# Altium PCB PCB2.PcbDoc (continued)
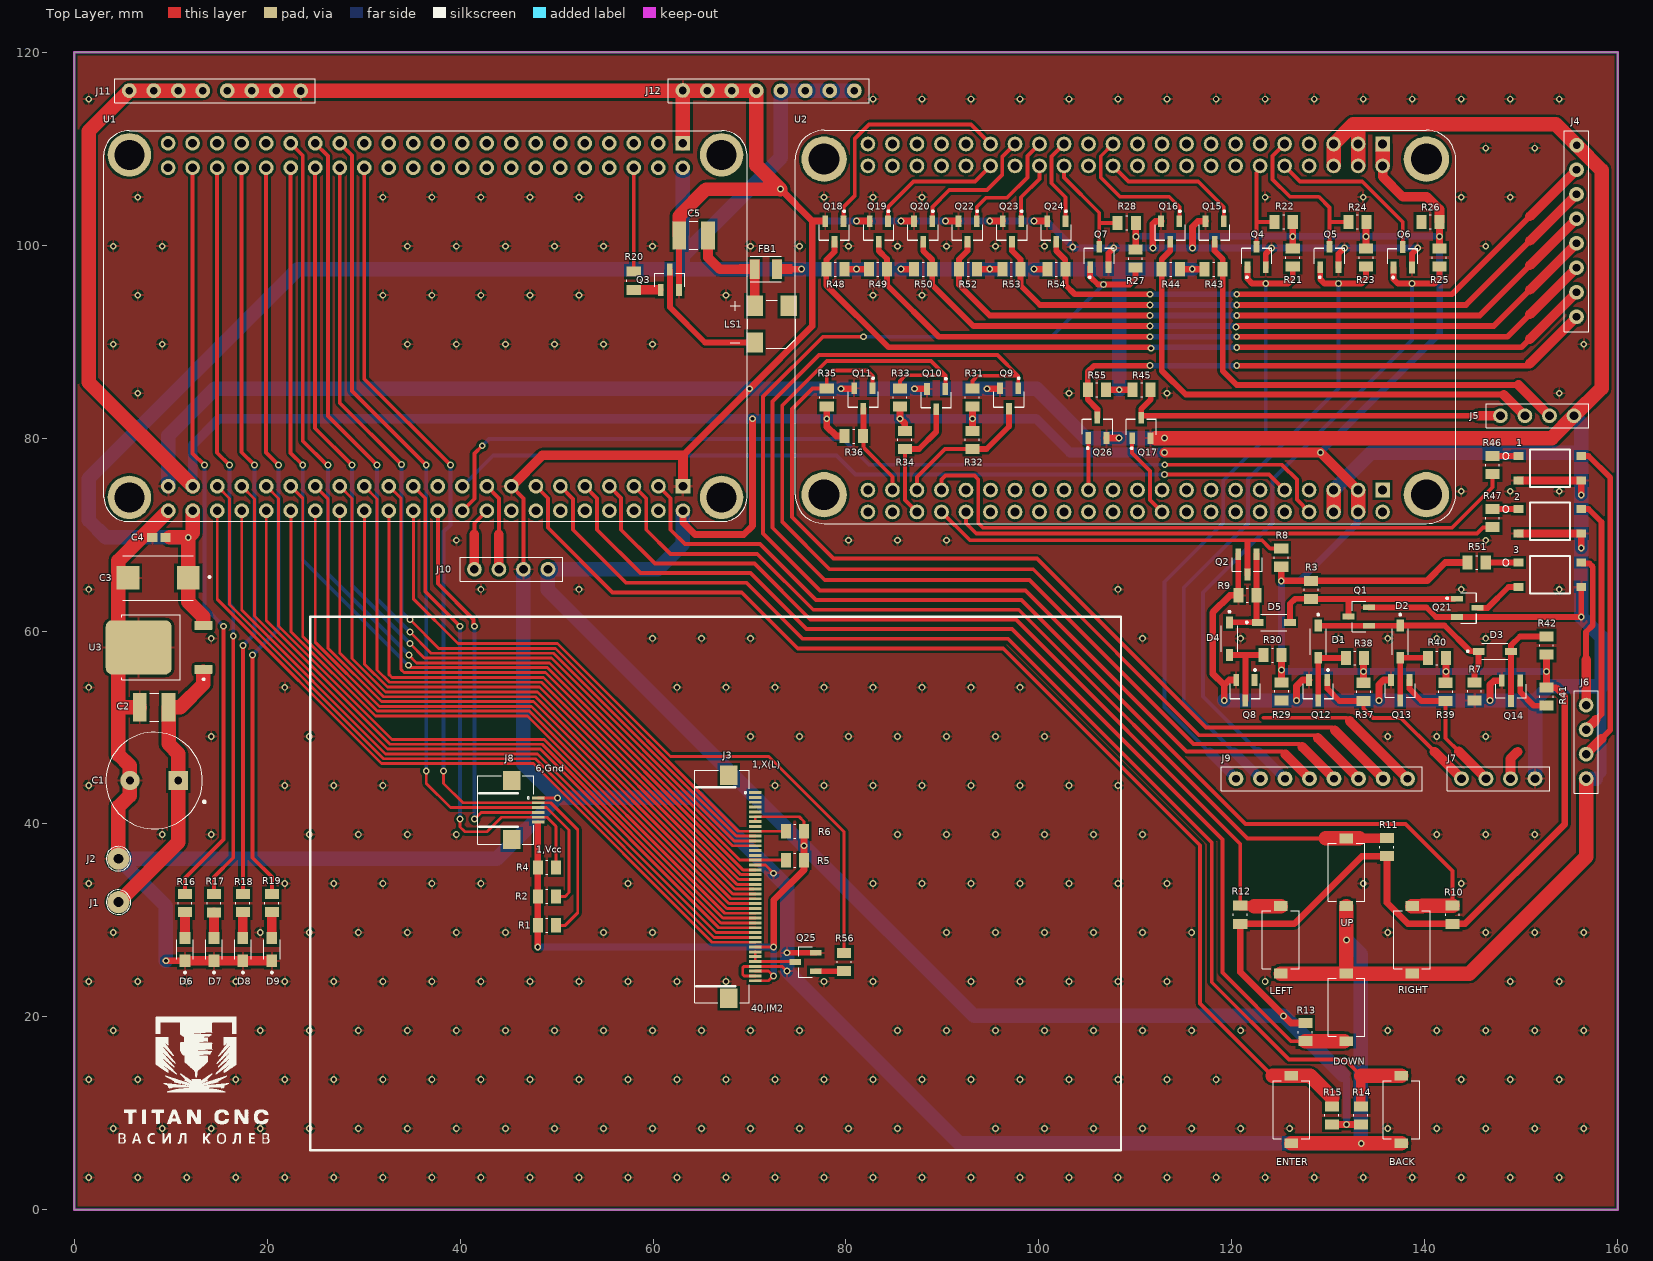
[diagram p0: Top Layer view]
## Nets (pads, with @x,y where several pads share a name; then routed paths per layer and width w, separated by ;. In a path a pad name is that pad's centre, name@x,y a point inside that pad or via, vN(x,y) a via of type N, cw(c..) or ccw(c..) an arc to the next point about the centre after c; other vN are vias at no path point)
GND: 1.2 1.3 2.2 2.3 3.3 BACK.2 C1.2 C2.1 C3.2 C4.1 C5.1 D6.C D7.C D8.C D9.C DOWN.2 ENTER.2 J2.1 J3.16 J3.37 J3.39 J4.8 J5.4 J6.4 J7.4 J8.1 J10.3 J11.5 J11.6 J11.7 J11.8 J12.5 J12.6 J12.7 J12.8 LEFT.2 Q1.2 Q2.2 Q3.2 Q4.2 Q5.2 Q6.2 Q7.2 Q8.2 Q9.2 Q10.2 Q11.2 Q12.2 Q13.2 Q14.2 Q15.2 Q16.2 Q17.2 Q18.2 Q19.2 Q20.2 Q21.2 Q22.2 Q23.2 Q24.2 Q25.2 Q26.2 R7.2 R9.2 RIGHT.2 U1.1 U1.45 U1.59 U1.87 U1.88 U2.3 U2.4 U2.5 U2.6 U2.49 U2.50 U3.2 UP.2 | length 1003.6
  Top Layer w0.254: J12.8 J12.8@63.101,116.012 ; J12.7@65.615,116.012 J12.7 ; Q11.2@80.79,85.1 Q11.2 ; 88.1,85.1 Q10.2 ; Q9.2@95.89,85.1 Q9.2 ; Q17.2 112.1,79.98
  Top Layer w0.3: J8.1 v2(50.1,42.7) ; J3.39 69.449,24.25 69.3,24.399 69.3,25.101 69.449,25.25 J3.37 73.358,25.25 73.858,24.75 v2(73.9,24.75) ; J3.16 71.65,35.75 v2(72.5,34.9)
  Top Layer w0.4: U1.59 46.57,73.75 J10.3
  Top Layer w0.6: Q3.2 62.7,100.992 C5.1 ; v2(73.9,26.65) Q25.2 ; Q7.2 107.2,99.15 v2(107.75,99.7) ; Q2.2 120.65,63.71 R9.2 ; Q4.2 123.5,99.1 v2(124.1,99.7) ; Q5.2 131.05,99.1 v2(131.65,99.7) ; Q1.2 140.15,62.45 141.15,61.45 Q21.2 v2(156.2,61.45) 3.3 ; Q6.2 138.65,99.1 v2(139.25,99.7)
  Top Layer w0.7: v2(9.525,25.825) D6.C ; 63.1,78.2 v2(70,85.1) 76.5,91.6 76.5,102.5 ; J12.6@68.168,115.932 J12.6 ; v2(73.2,105.8) 76.5,102.5 ; Q18.2@77.81,102.5 76.5,102.5 ; v2(79.5,85.1) Q11.2@80.79,85.1 ; v2(81.1,102.5) 82.41,102.5 Q19.2 ; v2(85.7,102.5) 87.01,102.5 Q20.2 ; v2(87.1,85.1) 88.1,85.1 ; v2(90.3,102.5) 91.61,102.5 Q22.2 ; v2(94.6,85.1) Q9.2@95.89,85.1 ; v2(94.9,102.5) 96.21,102.5 Q23.2 ; v2(99.5,102.5) 100.81,102.5 Q24.2 ; Q26.2 v2(108.3,80) ; v2(111.8,99.7) 111.8,102.185 112.075,102.46 Q16.2 ; v2(115.9,99.7) 115.9,101.9 116.46,102.46 Q15.2 ; v2(119.2,52.8) 119.2,54.4 ; Q8.2@120.2,54.92 119.72,54.92 119.2,54.4 ; R9.2 119.8,63.7 118,61.9 118,55.6 119.2,54.4 ; v2(126.7,52.8) 126.7,54.3 127.32,54.92 Q12.2 ; v2(135.242,52.8) 135.242,54.442 135.72,54.92 Q13.2@136.3,54.92 ; v2(146.75,52.8) 146.75,54.45 147.143,54.843 Q14.2@147.8,54.843 ; v2(156.195,68.595) 156.195,70.095 2.3 ; v2(156.195,74.095) 156.195,75.595 1.3
  Top Layer w0.8: 2.2 2.3 ; 1.2 1.3
  Top Layer w1: D6.C D7.C D8.C D9.C ; U1.59 48.52,78.2 63.1,78.2 U1.45
  Top Layer w1.4: C5.1 62.708,103.008 65.5,105.8 v2(73.2,105.8)
  Top Layer w1.5: J2.1 4.6,41.8 5.752,42.952 5.752,44.452 C1.2 5.752,44.548 5.752,46.048 4.6,47.2 4.6,52.1 ; C2.1 4.6,52.1 ; C4.1@7.785,70.035 7.335,70.035 ; U1.88 7.335,70.035 ; J11.5 J11.6 J11.7 J12.8@63.088,116 ; U1.1 J12.8@63.088,115.988 ; J12.8@63.101,116.012 J12.7@65.615,116.012 ; J12.7 J12.6 J12.5 70.708,108.292 v2(73.2,105.8) ; 112.1,79.98 112.12,80 v2(113,80) 153.14,80 J5.4 158.3,85.16 158.3,107.765 J4.8 153.565,112.5 133.074,112.5 ; LEFT.2 DOWN.2 ; ENTER.2 v2(133.4,6.9) BACK.2 ; U2.50 U2.49 ; U2.6 U2.5 132.558,112.5 133.074,112.5 ; UP.2 v2(131.858,27.989) DOWN.2 ; U2.4 U2.3 133.074,112.5 ; J6.4 156.7,36.6 144.6,24.5 RIGHT.2 DOWN.2 ; 4.6,52.1 4.6,67.3 7.335,70.035
  Bottom Layer w0.7: v2(73.2,105.8) 76.5,102.5 v2(81.1,102.5) v2(94.9,102.5) v2(99.5,102.5) 100.8,102.5 v2(103.5,99.8) 103.503,99.8 103.603,99.7 v2(107.75,99.7) v2(111.8,99.7) v2(115.9,99.7) v2(124.1,99.7) v2(131.65,99.7) v2(139.25,99.7)
  Bottom Layer w1: 157.7,44.7 158.3,45.3 158.3,54.3
  Bottom Layer w1.5: v2(9.525,25.825) 9.525,31.475 J2.1 43.8,36.4 v2(50.1,42.7) ; U1.87 9.76,80.26 14.6,85.1 v2(70,85.1) v2(79.5,85.1) v2(87.1,85.1) v2(94.6,85.1) 99.763,85.1 104.863,80 v2(108.3,80) v2(113,80) ; J10.3 46.57,46.23 v2(50.1,42.7) ; v2(119.2,52.8) v2(126.7,52.8) v2(135.242,52.8) v2(146.75,52.8) 151.38,52.8 151.41,52.83 ; U2.49 134.42,78.495 156.195,78.495 ; v2(131.858,27.989) 133.358,26.489 133.358,6.942 v2(133.4,6.9) 91.75,6.9 v2(73.9,24.75) v2(73.9,26.65) 73.9,33.5 v2(72.5,34.9) 64.7,42.7 v2(50.1,42.7) ; J7.4 151.41,52.8 152.91,54.3 158.3,54.3 158.3,59.35 v2(156.2,61.45) v2@156.2,68.59 ; J5.4 156.195,81.545 156.195,78.495 ; v2(156.195,68.595) v2(156.195,74.095) 156.195,78.495 ; J6.4 157.7,44.7
  other v1: 1.52,3.36 6.6,3.36 11.68,3.36 16.76,3.36 21.84,3.36 26.92,3.36 32,3.36 37.08,3.36 42.16,3.36 47.24,3.36 52.32,3.36 57.4,3.36 62.48,3.36 67.56,3.36 72.64,3.36 77.72,3.36 82.8,3.36 87.88,3.36 92.96,3.36 98.04,3.36 103.12,3.36 108.2,3.36 113.28,3.36 118.36,3.36 123.44,3.36 128.52,3.36 133.6,3.36 138.68,3.36 143.76,3.36 148.84,3.36 153.92,3.36 4.06,8.44 9.14,8.44 14.22,8.44 19.3,8.44 24.38,8.44 29.46,8.44 34.54,8.44 39.62,8.44 44.7,8.44 49.78,8.44 54.86,8.44 59.94,8.44 65.02,8.44 70.1,8.44 75.18,8.44 80.26,8.44 85.34,8.44 95.5,8.44 100.58,8.44 105.66,8.44 110.74,8.44 115.82,8.44 120.9,8.44 125.98,8.44 136.14,8.44 141.22,8.44 146.3,8.44 151.38,8.44 156.46,8.44 1.52,13.52 6.6,13.52 16.76,13.52 21.84,13.52 26.92,13.52 32,13.52 37.08,13.52 42.16,13.52 47.24,13.52 52.32,13.52 57.4,13.52 62.48,13.52 67.56,13.52 72.64,13.52 77.72,13.52 82.8,13.52 87.88,13.52 92.96,13.52 98.04,13.52 103.12,13.52 108.2,13.52 113.28,13.52 118.36,13.52 143.76,13.52 148.84,13.52 153.92,13.52 4.06,18.6 19.3,18.6 24.38,18.6 29.46,18.6 34.54,18.6 39.62,18.6 44.7,18.6 49.78,18.6 54.86,18.6 59.94,18.6 65.02,18.6 70.1,18.6 75.18,18.6 85.34,18.6 90.42,18.6 95.5,18.6 100.58,18.6 105.66,18.6 110.74,18.6 115.82,18.6 120.9,18.6 136.14,18.6 141.22,18.6 146.3,18.6 151.38,18.6 156.46,18.6 1.52,23.68 6.6,23.68 11.68,23.68 16.76,23.68 21.84,23.68 26.92,23.68 32,23.68 37.08,23.68 42.16,23.68 47.24,23.68 52.32,23.68 57.4,23.68 62.48,23.68 67.56,23.68 77.72,23.68 82.8,23.68 92.96,23.68 98.04,23.68 103.12,23.68 108.2,23.68 113.28,23.68 123.44,23.68 148.84,23.68 153.92,23.68 4.06,28.76 19.3,28.76 24.38,28.76 29.46,28.76 34.54,28.76 39.62,28.76 44.7,28.76 54.86,28.76 59.94,28.76 90.42,28.76 95.5,28.76 100.58,28.76 105.66,28.76 110.74,28.76 115.82,28.76 136.14,28.76 146.3,28.76 151.38,28.76 156.46,28.76 1.52,33.84 21.84,33.84 26.92,33.84 32,33.84 37.08,33.84 42.16,33.84 57.4,33.84 82.8,33.84 87.88,33.84 92.96,33.84 98.04,33.84 103.12,33.84 108.2,33.84 113.28,33.84 133.6,33.84 143.76,33.84 9.14,38.92 14.22,38.92 24.38,38.92 29.46,38.92 34.54,38.92 39.62,38.92 85.34,38.92 90.42,38.92 95.5,38.92 100.58,38.92 105.66,38.92 110.74,38.92 141.22,38.92 146.3,38.92 151.38,38.92 1.52,44 21.84,44 26.92,44 32,44 72.64,44 77.72,44 82.8,44 87.88,44 92.96,44 98.04,44 103.12,44 108.2,44 14.22,49.08 24.38,49.08 70.1,49.08 75.18,49.08 80.26,49.08 85.34,49.08 90.42,49.08 95.5,49.08 100.58,49.08 136.14,49.08 141.22,49.08 146.3,49.08 1.52,54.16 21.84,54.16 62.48,54.16 67.56,54.16 72.64,54.16 77.72,54.16 82.8,54.16 87.88,54.16 92.96,54.16 98.04,54.16 14.22,59.24 59.94,59.24 65.02,59.24 70.1,59.24 110.74,59.24 120.9,59.24 131.06,59.24 136.14,59.24 141.22,59.24 146.3,59.24 1.52,64.32 42.16,64.32 52.32,64.32 108.2,64.32 143.76,64.32 153.92,64.32 39.62,69.4 80.26,69.4 85.34,69.4 90.42,69.4 146.3,69.4 143.76,74.48 148.84,74.48 153.92,74.48 6.6,84.64 103.12,84.64 113.28,84.64 153.92,84.64 4.06,89.72 9.14,89.72 34.54,89.72 39.62,89.72 44.7,89.72 49.78,89.72 54.86,89.72 59.94,89.72 156.46,89.72 6.6,94.8 32,94.8 37.08,94.8 42.16,94.8 47.24,94.8 52.32,94.8 67.56,94.8 82.8,94.8 87.88,94.8 4.06,99.88 9.14,99.88 34.54,99.88 39.62,99.88 44.7,99.88 49.78,99.88 54.86,99.88 59.94,99.88 70.1,99.88 75.18,99.88 80.26,99.88 85.34,99.88 90.42,99.88 95.5,99.88 100.58,99.88 146.3,99.88 6.6,104.96 32,104.96 37.08,104.96 42.16,104.96 47.24,104.96 52.32,104.96 77.72,104.96 82.8,104.96 87.88,104.96 123.44,104.96 133.6,104.96 143.76,104.96 148.84,104.96 146.3,110.04 151.38,110.04 1.52,115.12 82.8,115.12 87.88,115.12 92.96,115.12 98.04,115.12 103.12,115.12 108.2,115.12 113.28,115.12 118.36,115.12 123.44,115.12 128.52,115.12 133.6,115.12 138.68,115.12 143.76,115.12 148.84,115.12 153.92,115.12
Net1_1: 1.1 R46.2 | length 2.7
  Top Layer w0.6: R46.2 1.1
Net1_4: 1.4 J6.3 | length 33.6
  Top Layer w0.6: 1.4 156.96,78.14 159.2,75.9 159.2,49.74 158.3,48.84
  Top Layer w1: J6.3 158.3,48.84
Net2_1: 2.1 R47.2 | length 2.7
  Top Layer w0.6: R47.2 2.1
Net2_4: 2.4 J6.2 | length 24.8
  Top Layer w0.6: 2.4 156.96,72.64 158.3,71.3 158.3,51.38 157.71,50.79
  Top Layer w1: J6.2 157.71,50.79
Net3_1: 3.1 R51.2 | length 3.4
  Top Layer w0.6: R51.2 3.1
Net3_2: 3.2 Q21.3 | length 5.1
  Top Layer w0.6: Q21.3 146.5,62.4 148.66,64.56 3.2
Net3_4: 3.4 J6.1 | length 16
  Top Layer w0.6: 3.4 156.3,67 157.049,67 157.4,66.649 157.4,60.6 156.7,59.9 156.7,57
  Top Layer w1: J6.1 156.7,57
NetC1_1: C1.1 C2.2 J1.1 U3.1 | length 29.1
  Top Layer w1.5: J1.1 10.8,38.1 C1.1 10.8,47.3 9.792,48.308 C2.2 11,52.1 13.41,54.51 U3.1@13.41,55.8
NetC3_1: C3.1 C4.2 FB1.1 J12.1 J12.2 J12.3 J12.4 R43.1 R44.1 R45.1 R48.1 R49.1 R50.1 R52.1 R53.1 R54.1 R55.1 U1.2 U1.86 U3.3 | length 220.3
  Top Layer w0.7: FB1.1 v2(75.4,97.5) ; R48.1 v2(81.1,97.5) R49.1 ; v2(85.7,97.5) R50.1 ; R52.1 v2(94.9,97.5) R53.1 ; v2(99.5,97.5) R54.1 ; R55.1 v2(108.32,85) R45.1 ; R44.1 v2(115.88,97.5) R43.1
  Top Layer w1.5: C4.2@9.9,69.7 v2(11.84,69.7) ; U1.86 12.3,70.16 v2(11.84,69.7) ; U3.3@13.4,61 13.4,61.486 11.84,63.046 C3.1 v2(11.84,69.7)
  Bottom Layer w1.5: v2(11.84,69.7) 3.3,69.7 1.5,71.5 1.5,75.8 23.2,97.5 63.088,97.5 v2(75.4,97.5) v2(81.1,97.5) v2(85.7,97.5) v2(94.9,97.5) v2(99.5,97.5) 108.3,97.5 ; 63.088,97.9 63.088,98.888 ; U1.2 63.088,98.888 ; J12.1 J12.2 J12.3 J12.4 73.248,109.048 63.088,98.888 ; v2(108.32,85) 108.32,97.48 108.3,97.5 ; v2(115.88,97.5) 108.3,97.5
NetC5_2: C5.2 FB1.2 LS1.P | length 11.5
  Top Layer w1: C5.2 65.692,98.708 66.9,97.5 FB1.2 LS1.P
NetD1_A: D1.A Q12.3 R38.2 | length 7.2
  Top Layer w0.254: D1.A@128.94,57.18 D1.A@128.96,57.2
  Top Layer w0.6: Q12.3 D1.A@128.94,57.18 ; D1.A@128.96,57.2 R38.2
NetD1_C: D1.C D2.C D3.C Q1.1 R7.1 | length 21.1
  Top Layer w0.254: D1.C D1.C@128.97,60.55 ; D2.C@137.41,60.55 D2.C
  Top Layer w0.6: D1.C@128.97,60.55 Q1.1 D2.C@137.41,60.55 ; D2.C 142.02,60.58 144.7,57.9 D3.C 145.56,56.46 145.14,56.04 R7.1
NetD2_A: D2.A Q13.3 R40.2 | length 7.3
  Top Layer w0.6: Q13.3 D2.A 140.28,57.22 R40.2
NetD3_A: D3.A Q14.3 R42.2 | length 9.8
  Top Layer w0.6: Q14.3 D3.A 148.92,58.52 149.84,59.44 R42.2
NetD4_A: D4.A Q8.3 R30.2 | length 8.2
  Top Layer w0.254: 121.39,57.49 121.4,57.5
  Top Layer w0.6: D4.A 119.76,57.5 121.4,57.5 R30.2 ; Q8.3 121.39,57.49
NetD4_C: D4.C D5.C Q2.1 R9.1 | length 10
  Top Layer w0.254: R9.1 R9.1@122.55,63.71
  Top Layer w0.6: D4.C 119.76,60.9 D5.C 122.54,61.02 R9.1 ; R9.1@122.55,63.71 Q2.1
NetD5_A: D5.A Q1.3 Q21.1 R3.2 | length 21
  Top Layer w0.6: D5.A 126.02,62.82 126.55,63.35 R3.2@128.2,63.35 ; R3.2 132.19,63.32 ; Q1.3 132.08,63.21 132.19,63.32 ; Q21.1@143.025,63.345 143,63.32 132.19,63.32
NetD6_A: D6.A R16.2 | length 2.7
  Top Layer w1: D6.A R16.2
NetD7_A: D7.A R17.2 | length 2.7
  Top Layer w1: D7.A R17.2
NetD8_A: D8.A R18.2 | length 2.7
  Top Layer w1: D8.A R18.2
NetD9_A: D9.A R19.2 | length 2.7
  Top Layer w1: D9.A R19.2
NetJ3_6: J3.6 J3.7 J3.33 J3.38 J3.40 J8.6 J10.4 J11.1 J11.2 J11.3 J11.4 R1.1 R2.2 R3.1 R4.2 R5.1 R6.1 R8.1 R10.1 R11.1 R12.1 R13.1 R14.1 R15.1 R21.1 R22.1 R23.1 R24.1 R25.1 R26.1 R27.1 R28.1 R29.1 R30.1 R31.1 R32.1 R33.1 R34.1 R35.1 R36.1 R37.1 R38.1 R39.1 R40.1 R41.1 R42.1 R51.1 U1.46 U1.85 U2.1 U2.2 U2.47 U2.48 | length 654.3
  Top Layer w0.254: 48.083,40 48.083,40.2 J8.6 ; v2@72.458,24.25 v2(72.5,24.25)
  Top Layer w0.3: J3.40 71.958,23.75 72.458,24.25 71.958,24.75 J3.38 ; J3.33 v2(72.5,27.25) ; J3.7 J3.6 75.15,40.75 75.64,40.26 R6.1
  Top Layer w0.7: v2(48.06,27.25) R4.2 48.06,40 ; U1.46 63.1,71.242 64.342,70 69.4,70 70.3,70.9 v2(70.3,82) ; v2(72.5,27.25) 72.5,32.1 75.64,35.24 R5.1 v2(75.64,37.75) R6.1 ; R35.1 78,81.2 79,80.2 R36.1 ; R33.1 v2(85.6,82) 86.1,81.5 R34.1 ; R32.1 v2(93.1,82) R31.1 ; R27.1 110.04,99.58 v2(110.04,100.9) R28.1 ; R8.1 v2(125.1,65.2) R3.1 140.2,65.2 142.1,67.1 R51.1 ; R29.1 v2(125.14,55.975) R30.1 ; v2@125.354,20.122 125.354,20.118 125.355,20.117 125.391,20.117 126.128,19.38 R13.1 ; v2@125.37,20.138 120.858,24.65 R12.1 126.46,29.66 133.46,36.66 R11.1 136.058,31.842 138.24,29.66 144.16,29.66 154.5,40 154.5,53.2 153.567,54.133 152.607,54.133 R41.1 R42.1 ; R21.1 R22.1 ; R15.1 R14.1 ; R37.1 v2(133.64,55.81) 133.64,57.16 R38.1 ; R23.1 v2(133.9,100.9) 133.9,102.36 R24.1 ; R25.1 v2(141.5,100.9) R26.1 ; R39.1 142.18,54.68 v2(142.18,55.81) R40.1
  Top Layer w1: v2(113,78.5) v2(129.182,78.5) U2.47 ; U2.2 135.614,107.086 137.7,105 140.2,105 141.5,103.7 R26.1
  Top Layer w1.5: U1.85 1.5,85.8 1.5,111.78 J11.1 J11.2 J11.3 J11.4 ; U2.48 U2.47 ; U2.2 U2.1
  Bottom Layer w0.7: v2(48.06,27.25) v2(72.5,27.25) v2(72.5,24.25) ; v2(110.04,100.9) v2(126.3,100.9) v2(133.9,100.9) v2(141.5,100.9) 141.5,95.947 141.54,95.907 141.54,90.858 v2(129.182,78.5) ; 131.469,14 131.858,13.611 v2(131.858,8.86) ; U2.48 132.952,72.218 132.952,71.152 127,65.2 v2(125.1,65.2) 125.12,65.18 125.12,55.995 v2(125.14,55.975) 125.264,55.975 125.429,55.81 v2(133.64,55.81) v2(142.18,55.81) 142.185,55.805 152.595,55.805 v2(152.6,55.8)
  Bottom Layer w1: U1.85 12.3,79.3 15,82 v2(70.3,82) v2(78,82) v2(85.6,82) v2(93.1,82) 99.7,82 103.2,78.5 v2(113,78.5)
  Bottom Layer w1.5: U1.46 63.1,69 60.5,66.4 J10.4 49.11,64.28 v2(75.64,37.75) 93.271,20.119 v2(125.35,20.119) 131.469,14
NetJ3_9: J3.9 R6.2 U1.30 | length 97.9
  Top Layer w0.3: v2(34.8,61.2) 37.8,58.2 49.893,58.2 68.843,39.25 J3.9 R6.2
  Top Layer w0.4: U1.30 27.528,83.656 v2(33.942,77.242)
  Bottom Layer w0.4: v2(33.942,77.242) 33.942,61.976 34.718,61.2 v2(34.8,61.2)
NetJ3_10: J3.10 U1.31 | length 99.3
  Top Layer w0.3: v2(34.8,59.9) 37,57.7 49.686,57.7 68.636,38.75 J3.10
  Top Layer w0.4: U1.31 26.3,109.238 26.3,82.3 v2(31.4,77.2)
  Bottom Layer w0.4: v2(31.4,77.2) 31.4,63.3 v2(34.8,59.9)
NetJ3_11: J3.11 U1.32 | length 97.6
  Top Layer w0.3: v2(34.8,58.7) 36.3,57.2 49.479,57.2 68.429,38.25 J3.11
  Top Layer w0.4: U1.32 24.988,81.012 v2(28.8,77.2)
  Bottom Layer w0.4: v2(28.8,77.2) 28.8,64.7 v2(34.8,58.7)
NetJ3_12: J3.12 U1.33 | length 102.3
  Top Layer w0.3: v2(34.7,57.5) 34.7,57.484 35.484,56.7 35.893,56.7 49.272,56.7 68.222,37.75 J3.12
  Top Layer w0.4: U1.33 23.7,109.298 23.7,79.7 26.2,77.2 v2(26.3,77.2)
  Bottom Layer w0.4: v2(26.3,77.2) 26.3,65.9 v2(34.7,57.5)
NetJ3_15: J3.15 R5.2 U1.34 | length 104.1
  Top Layer w0.3: v2(34.66,56.45) 34.91,56.2 49.064,56.2 69.014,36.25 J3.15 R5.2
  Top Layer w0.4: U1.34 22.448,78.452 v2(23.7,77.2)
  Bottom Layer w0.4: v2(23.7,77.2) 23.7,67.355 34.605,56.45 v2(34.66,56.45)
NetJ3_17: J3.17 U1.69 | length 64.8
  Top Layer w0.3: U1.69 33.9,73.72 33.9,55.992 34.201,55.691 48.867,55.691 69.307,35.25 J3.17
NetJ3_18: J3.18 U1.70 | length 63.5
  Top Layer w0.3: U1.70 32.62,55.523 32.952,55.191 48.66,55.191 69.1,34.75 J3.18
NetJ3_19: J3.19 U1.71 | length 67.8
  Top Layer w0.3: U1.71 31.4,73.68 31.4,55.971 32.68,54.691 48.453,54.691 68.893,34.25 J3.19
NetJ3_20: J3.20 U1.72 | length 65.9
  Top Layer w0.3: U1.72 30.08,56.584 32.473,54.191 48.245,54.191 68.686,33.75 J3.20
NetJ3_21: J3.21 U1.73 | length 69.9
  Top Layer w0.3: U1.73 28.8,73.74 28.8,57.157 32.266,53.691 48.038,53.691 68.479,33.25 J3.21@70.4,33.25
NetJ3_22: J3.22 U1.74 | length 68.1
  Top Layer w0.3: U1.74 27.54,57.71 32.059,53.191 47.831,53.191 68.272,32.75 J3.22
NetJ3_23: J3.23 U1.75 | length 72.4
  Top Layer w0.3: U1.75 26.3,73.7 26.3,58.243 31.852,52.691 47.624,52.691 68.065,32.25 J3.23
NetJ3_24: J3.24 U1.76 | length 70.4
  Top Layer w0.3: U1.76 25,58.836 31.645,52.191 47.417,52.191 67.858,31.75 J3.24
NetJ3_25: J3.25 U1.77 | length 74.7
  Top Layer w0.3: U1.77 23.7,73.76 23.7,59.428 31.438,51.691 47.21,51.691 67.651,31.25 J3.25
NetJ3_26: J3.26 U1.78 | length 72.7
  Top Layer w0.3: U1.78 22.466,72.454 22.466,59.956 31.231,51.191 47.003,51.191 67.443,30.75 J3.26
NetJ3_27: J3.27 U1.79 | length 77
  Top Layer w0.3: U1.79 21.2,73.72 21.2,60.514 32.955,48.759 48.727,48.759 67.236,30.25 J3.27
NetJ3_28: J3.28 U1.80 | length 75
  Top Layer w0.3: U1.80 19.92,61.087 32.748,48.259 48.52,48.259 67.029,29.75 J3.28
NetJ3_29: J3.29 U1.81 | length 79.3
  Top Layer w0.3: U1.81 18.7,73.68 18.7,61.55 32.491,47.759 48.313,47.759 66.822,29.25 J3.29
NetJ3_30: J3.30 U1.82 | length 77.4
  Top Layer w0.3: U1.82 17.38,62.163 32.284,47.259 48.029,47.259 66.538,28.75 J3.30
NetJ3_31: J3.31 U1.83 | length 81.6
  Top Layer w0.3: U1.83 16.1,73.74 16.1,62.736 32.076,46.76 47.822,46.76 66.331,28.25 J3.31
NetJ3_32: J3.32 U1.84 | length 79.7
  Top Layer w0.3: U1.84 14.84,63.289 31.869,46.26 47.615,46.26 66.124,27.75 J3.32
NetJ3_34: J3.34 J3.35 J3.36 Q25.3 | length 5.2
  Top Layer w0.254: Q25.3@74.691,25.75 Q25.3
  Top Layer w0.3: J3.34 J3.35 J3.36 Q25.3@74.691,25.75
NetJ4_1: J4.1 Q26.3 R55.2 | length 57.8
  Top Layer w0.6: Q26.3 106.05,82.99 105.06,83.98 R55.2 105.06,86.86 105.7,87.5 v2(111.5,87.5) ; v2(120.5,87.5) 150.64,87.5
  Top Layer w1: 150.87,87.73 J4.1
  Bottom Layer w0.6: v2(111.5,87.5) v2(120.5,87.5)
NetJ4_2: J4.2 Q18.3 R48.2 | length 87.7
  Top Layer w0.6: Q18.3 78.8,99.3 77.967,98.467 77.967,97.507 R48.2 77.96,95.84 84.4,89.4 111.47,89.4 111.563,89.307 v2(111.593,89.307) ; v2(120.5,89.4) 150,89.4 150.87,90.27
  Top Layer w1: 150.87,90.27 J4.2
  Bottom Layer w0.6: v2(111.593,89.307) 111.623,89.307 111.716,89.4 v2(120.5,89.4)
NetJ4_3: J4.3 Q19.3 R49.2 | length 81.5
  Top Layer w0.6: Q19.3 83.4,99.4 84.24,98.56 R49.2 84.24,95.86 89.6,90.5 v2(111.5,90.5) ; v2(120.5,90.5) 148.56,90.5 150.87,92.81
  Top Layer w1: 150.87,92.81 J4.3
  Bottom Layer w0.6: v2(111.5,90.5) v2(120.5,90.5)
NetJ4_4: J4.4 Q20.3 R50.2 | length 77
  Top Layer w0.6: Q20.3 88.007,100.333 88.007,99.393 88.933,98.467 88.933,97.507 R50.2 88.94,95.86 93.2,91.6 v2(111.5,91.6) ; v2(120.43,91.519) 120.46,91.519 120.542,91.6 147.12,91.6 150.87,95.35
  Top Layer w1: 150.87,95.35 J4.4
  Bottom Layer w0.6: v2(111.5,91.6) 120.319,91.6 120.4,91.519 v2(120.43,91.519)
NetJ4_5: J4.5 Q22.3 R52.2 | length 74.3
  Top Layer w0.6: Q22.3 92.6,99.4 91.72,98.52 R52.2 91.72,95.88 94.9,92.7 v2(111.5,92.7) ; v2(120.5,92.7) 145.68,92.7 150.87,97.89
  Top Layer w1: 150.87,97.89 J4.5
  Bottom Layer w0.6: v2(111.5,92.7) v2(120.5,92.7)
NetJ4_6: J4.6 Q23.3 R53.2 | length 68.1
  Top Layer w0.6: Q23.3 97.2,99.4 98.08,98.52 R53.2 98.08,95.82 100.1,93.8 v2(111.5,93.8) ; v2(120.5,93.8) 144.24,93.8 150.87,100.43
  Top Layer w1: 150.87,100.43 J4.6
  Bottom Layer w0.6: v2(111.5,93.8) v2(120.5,93.8)
NetJ4_7: J4.7 Q24.3 R54.2 | length 63.6
  Top Layer w0.6: Q24.3 101.8,99.4 102.733,98.467 102.733,97.507 R54.2 102.74,95.86 103.7,94.9 v2(111.5,94.9) ; v2(120.5,94.9) 142.8,94.9 150.87,102.97
  Top Layer w1: 150.87,102.97 J4.7
  Bottom Layer w0.6: v2(111.5,94.9) v2(120.5,94.9)
NetJ5_1: J5.1 Q17.3 R45.2 | length 40.6
  Top Layer w0.6: Q17.3 Q17.3@110.6,82.132 ; R45.2 111.58,83.98 110.6,83 Q17.3@110.6,82.132 ; 145.5,82.3 110.768,82.3 Q17.3@110.6,82.132
  Top Layer w1: 145.5,82.3 J5.1
NetJ5_2: J5.2 Q16.3 R44.2 | length 53.3
  Top Layer w0.6: Q16.3 113.6,99.4 112.72,98.52 R44.2 112.72,86.98 115.2,84.5 148.16,84.5
  Top Layer w1: 148.16,84.5 J5.2
NetJ5_3: J5.3 Q15.3 R43.2 | length 49.5
  Top Layer w0.6: Q15.3 118.2,99.4 119.04,98.56 R43.2 119.04,86.96 120.5,85.5 149.7,85.5
  Top Layer w1: 149.7,85.5 J5.3
NetJ7_1: J7.1 Q12.1 R37.2 | length 19.1
  Top Layer w0.4: R37.2 133.64,51.96 134.6,51 137.49,51 140.995,47.495
  Top Layer w0.6: Q12.1 129.89,54.01 131.14,52.76 R37.2
  Top Layer w1: 140.995,47.495 J7.1
NetJ7_2: J7.2 Q13.1 R39.2 | length 15
  Top Layer w0.4: R39.2 142.14,48.89 143.515,47.515
  Top Layer w0.6: Q13.1 138.39,54.01 139.64,52.76 R39.2
  Top Layer w1: 143.515,47.515 J7.2
NetJ7_3: J7.3 Q14.1 R41.2 | length 7.6
  Top Layer w0.6: Q14.1 149.87,53.67 151.28,52.26 R41.2
  Top Layer w1: J7.3 148.87,46.77 149.6,47.5
NetJ8_2: J8.2 R1.2 U1.28 | length 95.1
  Top Layer w0.3: v2(38.3,45.5) 38.3,44.2 40.3,42.2 J8.2 49.4,42.2 52.2,39.4 52.2,30.8 50.9,29.5 R1.2
  Top Layer w0.4: U1.28 30.068,86.132 v2(39,77.2)
  Bottom Layer w0.4: v2(38.3,45.5) 38.3,70.3 39,71 v2(39,77.2)
NetJ8_3: J8.3 R2.1 U1.29 | length 94.9
  Top Layer w0.3: v2(36.5,45.5) 36.5,44.2 39,41.7 48.967,41.7 51.3,39.367 51.3,32.9 50.9,32.5 R2.1
  Top Layer w0.4: U1.29 28.8,109.278 28.8,84.883 36.483,77.2 v2(36.5,77.2)
  Bottom Layer w0.4: v2(36.5,45.5) v2(36.5,77.2)
NetJ8_4: J8.4 U1.66 | length 40.4
  Top Layer w0.3: v2(41.5,40.5) 42.2,41.2 J8.4
  Top Layer w0.4: U1.66 37.7,64.9 41.413,61.187 41.413,60.587 v2(41.5,60.5)
  Bottom Layer w0.4: v2(41.5,40.5) v2(41.5,60.5)
NetJ8_5: J8.5 R4.1 U1.67 | length 52.7
  Top Layer w0.3: v2(40,40.5) 40,39.7 40.5,39.2 42.8,39.2 44.3,40.7 J8.5 49,40.7 49.94,39.76 R4.1
  Top Layer w0.4: U1.67 36.4,73.76 36.4,64.1 v2(40,60.5)
  Bottom Layer w0.4: v2(40,40.5) v2(40,60.5)
NetJ9_1: J9.1 Q4.1 R21.2 | length 66.3
  Top Layer w0.6: Q4.1 121.6,96.5 122.1,96 v2(123.5,96) 125.8,96 126.3,96.5 R21.2
  Bottom Layer w0.4: 117.7,47.42 113,52.12 113,65.1 119.1,71.2 119.1,75.6 123.5,80 v2(123.5,96)
  Bottom Layer w1: 117.7,47.42 J9.1
NetJ9_2: J9.2 Q5.1 R23.2 | length 68.9
  Top Layer w0.6: Q5.1 129.15,96.45 129.6,96 v2(131.05,96) 133.4,96 133.9,96.5 R23.2
  Bottom Layer w0.4: 120.215,47.445 115,52.66 115,64.5 121.65,71.15 121.65,75.75 131.05,85.15 v2(131.05,96)
  Bottom Layer w1: 120.215,47.445 J9.2
NetJ9_3: J9.3 Q6.1 R25.2 | length 71.4
  Top Layer w0.6: Q6.1 136.75,96.45 137.2,96 v2(138.65,96) 141,96 141.5,96.5 R25.2
  Bottom Layer w0.4: 122.7,47.5 117,53.2 117,64 124.2,71.2 124.2,75.7 138.65,90.15 v2(138.65,96)
  Bottom Layer w1: 122.7,47.5 J9.3
NetJ9_4: J9.4 Q7.1 R27.2 | length 128.9
  Top Layer w0.4: v2(81.8,90.5) 77.6,90.5 71.4,84.3 71.4,70.1 77.3,64.2 98.6,64.2 115.3,47.5 125.24,47.5 125.54,47.2
  Top Layer w0.6: Q7.1 105.3,96.71 106.11,95.9 v2(106.7,95.9) 109.4,95.9 110,96.5 R27.2
  Top Layer w1: 125.54,47.2 J9.4
  Bottom Layer w0.4: v2(81.8,90.5) 101.3,90.5 v2(106.7,95.9)
NetJ9_5: J9.5 Q9.1 R31.2 | length 117.4
  Top Layer w0.4: R31.2 93.1,85.908 93.642,86.45 97.85,86.45 ; Q9.1 97.85,86.45 ; 127.3,47.98 126.98,48.3 116,48.3 99,65.3 77.8,65.3 72.4,70.7 72.4,83.8 77.2,88.6 95.7,88.6 97.85,86.45
  Top Layer w1: 127.3,47.98 J9.5
NetJ9_6: J9.6 Q10.1 R33.2 | length 109.4
  Top Layer w0.4: R33.2 85.6,85.908 86.192,86.5 90.3,86.5 ; Q10.1 90.3,86.5 ; 128.9,48.92 128.62,49.2 116.6,49.2 99.4,66.4 78.3,66.4 73.4,71.3 73.4,83.4 78,88 88.8,88 90.3,86.5
  Top Layer w1: 128.9,48.92 J9.6
NetJ9_7: J9.7 Q11.1 R35.2 | length 95.9
  Top Layer w0.4: Q11.1 82.75,86.45 82.2,87 78.6,87 78,86.4 R35.2 76.54,85.14 74.4,83 74.4,71.8 78.7,67.5 99.8,67.5 117.3,50 130.36,50 130.66,49.7
  Top Layer w1: 130.66,49.7 J9.7
NetJ9_8: J9.8 Q8.1 R29.2 | length 17.6
  Top Layer w0.4: 123.268,51.007 131.868,51.007 132.2,50.675
  Top Layer w1: 132.2,50.675 J9.8
NetJ10_1: J10.1 U1.62 | length 6.6
  Top Layer w0.4: 41.49,70 41.49,71.17 U1.62
  Top Layer w1: J10.1 41.49,70
NetJ10_2: J10.2 U1.61 | length 12.7
  Top Layer w0.4: U1.61 44.03,73.75 J10.2
  Top Layer w1: J10.2 44.03,70
NetLS1_N: LS1.N Q3.3 | length 14.2
  Top Layer w0.6: Q3.3 61.75,93.55 65.4,89.9 LS1.N
NetQ2_3: Q2.3 R8.2 U2.82 | length 40.2
  Top Layer w0.4: U2.82@89.906,72.339 92.845,69.4 121.6,69.4 123.1,69.4 123.96,68.54 R8.2
  Top Layer w0.6: Q2.3 121.6,69.275
NetQ3_1: Q3.1 R20.2 | length 2.6
  Top Layer w1: R20.2 Q3.1@60.6,95.36
NetQ4_3: Q4.3 R22.2 U2.12 | length 10.4
  Top Layer w0.4: Q4.3 122.55,102.35 ; U2.12 122.914,107.857 122.55,107.494 122.55,102.35 ; R22.2 122.6,102.4 122.55,102.35
NetQ5_3: Q5.3 R24.2 U2.9 | length 17.3
  Top Layer w0.4: U2.9 124.2,109.222 124.2,106.8 126,105 129,105 130.1,103.9 130.1,102.4 ; Q5.3 130.1,102.4 ; R24.2 130.1,102.4
NetQ6_3: Q6.3 R26.2 U2.10 | length 17.2
  Top Layer w0.4: U2.10 127.055,106.6 133.5,106.6 137.7,102.4 Q6.3@137.7,99.8
NetQ7_3: Q7.3 R28.2 U2.28 | length 11.8
  Top Layer w0.4: U2.28 102.594,107.006 106.25,103.35 106.25,102.25 ; Q7.3 106.25,102.25 ; R28.2 106.3,102.3 106.25,102.25
NetQ9_3: Q9.3 R32.2 U2.83 | length 14.9
  Top Layer w0.4: U2.83 87.353,75.953 90.26,78.86 R32.2
  Top Layer w0.6: R32.2 94.56,78.86 96.9,81.2 Q9.3
NetQ10_3: Q10.3 R34.2 U2.84 | length 13.4
  Top Layer w0.254: R34.2 R34.2@86.107,78.867
  Top Layer w0.4: R34.2 86.1,73.593 U2.84
  Top Layer w0.6: R34.2@86.107,78.867 87.567,78.867 89.35,80.65 Q10.3
NetQ11_3: Q11.3 R36.2 U2.85 | length 9.7
  Top Layer w0.4: R36.2@81.8,80.2 81.8,79 84.813,75.987 U2.85
  Top Layer w0.6: R36.2@81.8,80.2 Q11.3
NetQ15_1: Q15.1 U2.24 | length 14.7
  Top Layer w0.4: U2.24 109.275,106.6 116.5,106.6 119.15,103.95 Q15.1
NetQ16_1: Q16.1 U2.23 | length 14.9
  Top Layer w0.4: U2.23 106.4,109.202 106.4,107 108.4,105 113.5,105 114.55,103.95 Q16.1
NetQ17_1: Q17.1 U2.64 | length 8.9
  Top Layer w0.4: Q17.1 109.65,78.45 111.5,76.6 111.5,73.592 U2.64
NetQ18_1: Q18.1 U2.33 | length 24.5
  Top Layer w0.4: Q18.1 79.75,103.95 80.9,105.1 80.9,111 82.4,112.5 92.949,112.5 U2.33
NetQ19_1: Q19.1 U2.34 | length 13.9
  Top Layer w0.4: Q19.1 84.35,103.95 87,106.6 93.373,106.6 U2.34
NetQ20_1: Q20.1 U2.31 | length 13.8
  Top Layer w0.4: Q20.1 88.95,103.95 90.7,105.7 94.6,105.7 96.2,107.3 96.2,109.162 U2.31
NetQ22_1: Q22.1 U2.29 | length 12
  Top Layer w0.4: Q22.1 93.55,103.95 94.5,104.9 96.7,104.9 98.8,107 98.8,109.222 U2.29
NetQ23_1: Q23.1 U2.30 | length 6.5
  Top Layer w0.4: Q23.1 98.15,104.95 100.054,106.854 U2.30
NetQ24_1: Q24.1 U2.27 | length 9.2
  Top Layer w0.4: U2.27 101.3,109.182 101.3,106.4 102.75,104.95 Q24.1
NetQ25_1: Q25.1 R56.2 | length 2.9
  Top Layer w0.6: Q25.1 79.79,24.75 R56.2
NetQ26_1: Q26.1 U2.69 | length 5.4
  Top Layer w0.4: Q26.1 105.117,79.983 105.117,74.626 U2.69
NetR10_2: R10.2 RIGHT.1 U1.47 | length 108.5
  Top Layer w0.4: U1.47 61.8,73.76 61.8,70.5 63.3,69 71.1,69 76.9,63.2 98.2,63.2 121.4,40 138,40 142.858,35.142 R10.2
  Top Layer w1: 139.7,31.5 139.74,31.54
  Top Layer w1.5: RIGHT.1 139.7,31.5 ; 139.74,31.54 R10.2
NetR11_2: R11.2 U1.49 UP.1 | length 95.1
  Top Layer w0.4: U1.49 59.3,73.72 59.3,70.5 61.8,68 70.8,68 76.6,62.2 97.9,62.2 121.6,38.5 129.7,38.5
  Top Layer w1: 133.2,38.5 133.24,38.54 R11.2
  Top Layer w1.5: 129.7,38.5 UP.1 133.2,38.5
NetR12_2: LEFT.1 R12.2 U1.51 | length 93.3
  Top Layer w0.4: U1.51 56.7,73.78 56.7,70.5 60.2,67 70.5,67 76.3,61.2 97.6,61.2 120.858,37.942 R12.2
  Top Layer w1: R12.2 122.26,31.54 122.3,31.5
  Top Layer w1.5: 122.3,31.5 LEFT.1
NetR13_2: DOWN.1 R13.2 U1.53 | length 112.7
  Top Layer w0.4: U1.53 54.2,73.74 54.2,70.5 58.7,66 70.1,66 75.9,60.2 97.2,60.2 119,38.4 119,24.6 126.12,17.48 R13.2@127.588,17.48
  Top Layer w1: DOWN.1@131.658,17.5 DOWN.1
  Top Layer w1.5: R13.2 DOWN.1@131.658,17.5
NetR14_2: BACK.1 R14.2 U1.55 | length 126
  Top Layer w0.4: U1.55 51.7,73.7 51.7,70.5 57.2,65 69.7,65 75.5,59.2 96.8,59.2 117.9,38.1 117.9,23.6 125.9,15.6 131.7,15.6 133.4,13.9 133.358,13.858
  Top Layer w1: R14.2 133.358,13.858
  Top Layer w1.5: 133.4,13.9 BACK.1
NetR15_2: ENTER.1 R15.2 U1.57 | length 121.1
  Top Layer w0.4: U1.57 49.1,73.76 49.1,70.7 55.8,64 69.2,64 75,58.2 96.3,58.2 116.7,37.8 116.7,21.4 124.2,13.9 ; R15.2 R15.2@130.374,10.756
  Top Layer w1: R15.2@130.374,10.756 130.374,11.626
  Top Layer w1.5: 124.2,13.9 ENTER.1 128.1,13.9 130.374,11.626
NetR16_1: R16.1 U1.42 | length 78.3
  Top Layer w0.4: R16.1 11.5,34.4 15.5,38.4 v2(15.5,60.5) ; U1.42 12.288,78.412 v2(13.5,77.2)
  Bottom Layer w0.4: v2(13.5,77.2) 13.5,62.5 v2(15.5,60.5)
NetR17_1: R17.1 U1.40 | length 76.8
  Top Layer w0.4: R17.1 14.5,34.5 16.5,36.5 v2(16.5,59.5) ; U1.40 14.828,78.472 v2(16.1,77.2)
  Bottom Layer w0.4: v2(16.1,77.2) 16.1,62.8 16.5,62.4 v2(16.5,59.5)
NetR18_1: R18.1 U1.38 | length 76.3
  Top Layer w0.4: U1.38 17.368,78.532 v2(18.7,77.2) ; R18.1 v2(17.5,58.5)
  Bottom Layer w0.4: v2(17.5,58.5) 18.7,59.7 v2(18.7,77.2)
NetR19_1: R19.1 U1.36 | length 77.8
  Top Layer w0.4: v2(18.5,57.5) 18.5,36.5 20.5,34.5 R19.1 ; U1.36 19.908,78.492 v2(21.2,77.2)
  Bottom Layer w0.4: v2(18.5,57.5) 21.2,60.2 v2(21.2,77.2)
NetR20_1: R20.1 U1.6 | length 10.8
  Top Layer w0.4: R20.1 58.008,97.248 U1.6
NetR46_1: R46.1 U2.81 | length 66.3
  Top Layer w0.4: U2.81 89.893,75.693 90.3,76.1 93.3,76.1 93.7,75.7 93.7,71.2 94.2,70.7 142.8,70.7 147,74.9 R46.1
NetR47_1: R47.1 U2.80 | length 56.5
  Top Layer w0.4: U2.80 92.434,71.167 93.5,70.1 145.4,70.1 146.033,70.733 146.973,70.733 R47.1
NetR56_1: R56.1 U1.68 | length 76.3
  Top Layer w0.3: U1.68 35.16,63.34 39.8,58.7 50.1,58.7 61.8,47 72,47 79.8,39.2 R56.1
NetU1_63: U1.63 U2.53 | length 88
  Top Layer w0.4: v2@113.021,76.221 123.842,76.221 U2.53
  Bottom Layer w0.4: U1.63 43.44,78.2 79,78.2 80.994,76.206 v2(113.006,76.206)
NetU1_64: U1.64 U2.52 | length 97.9
  Top Layer w0.4: U1.64 41.492,73.712 41.492,78.392 v2(42.3,79.2) ; v2(113.027,77.227) 125.172,77.227 125.246,77.156 126.75,75.7 126.75,73.632 U2.52
  Bottom Layer w0.4: v2(42.3,79.2) 43,79.9 79.7,79.9 82.373,77.227 v2(113.027,77.227)
pads on no net: J3.1 J3.2 J3.3 J3.4 J3.5 J3.8 J3.13 J3.14 J3.Z1 J3.Z2 J8.Z1 J8.Z2 LS1.NC U1. U1.3 U1.4 U1.5 U1.7 U1.8 U1.9 U1.10 U1.11 U1.12 U1.13 U1.14 U1.15 U1.16 U1.17 U1.18 U1.19 U1.20 U1.21 U1.22 U1.23 U1.24 U1.25 U1.26 U1.27 U1.35 U1.37 U1.39 U1.41 U1.43 U1.44 U1.48 U1.50 U1.52 U1.54 U1.56 U1.58 U1.60 U1.65 U2. U2.7 U2.8 U2.11 U2.13 U2.14 U2.15 U2.16 U2.17 U2.18 U2.19 U2.20 U2.21 U2.22 U2.25 U2.26 U2.32 U2.35 U2.36 U2.37 U2.38 U2.39 U2.40 U2.41 U2.42 U2.43 U2.44 U2.45 U2.46 U2.51 U2.54 U2.55 U2.56 U2.57 U2.58 U2.59 U2.60 U2.61 U2.62 U2.63 U2.65 U2.66 U2.67 U2.68 U2.70 U2.71 U2.72 U2.73 U2.74 U2.75 U2.76 U2.77 U2.78 U2.79 U2.86 U2.87 U2.88

## Polygon pours and split planes (outlines as drawn)
GND on Bottom Layer "GND_L02_P000" (solid, remove dead copper, pour order 0): 0,0 0,120 160,120 160,0
GND on Top Layer "GND_L01_P001" (solid, remove dead copper, pour order 1): 0,0 0,120 160,120 160,0

## Keep-outs
Keep-Out Layer:
  the board outline again, w0.254

## Silkscreen, mask and mechanical layers (free items; w line width, h text height)
Top Overlay:
  drawing of 30 lines, arcs and shapes, not listed
  text "1,X(L)" at 70.3,45.833 h0.7
  text "6,Gnd" at 47.85,45.433 h0.7
  text "1,Vcc" at 47.9,37.033 h0.7
  text "40,IM2" at 70.2,20.533 h0.7
Bottom Overlay:
  text "Bosch" at 91.8,50 h4.5
  text "&" at 89,41.7 h4.5
  text "Elsys" at 104.3,35.1 h4.5